# Altium PCB ICM20602+AK8975.PcbDoc
Units mm, origin at the board's own origin, x right, y up, seen from the top; angles counter-clockwise.
Board outline 18 x 19 mm, 2 copper layers (Top Layer, Bottom Layer), stack 0.971 mm thick; 26 components, 17 nets, 90 pads, 41 vias.
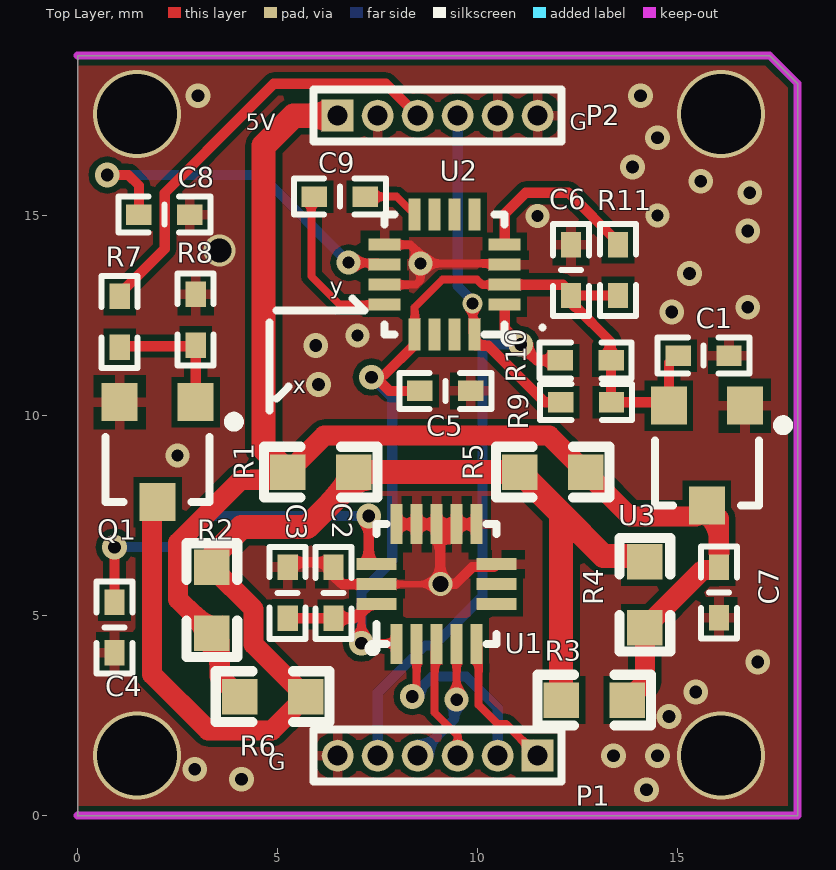
[diagram p0: Top Layer view]
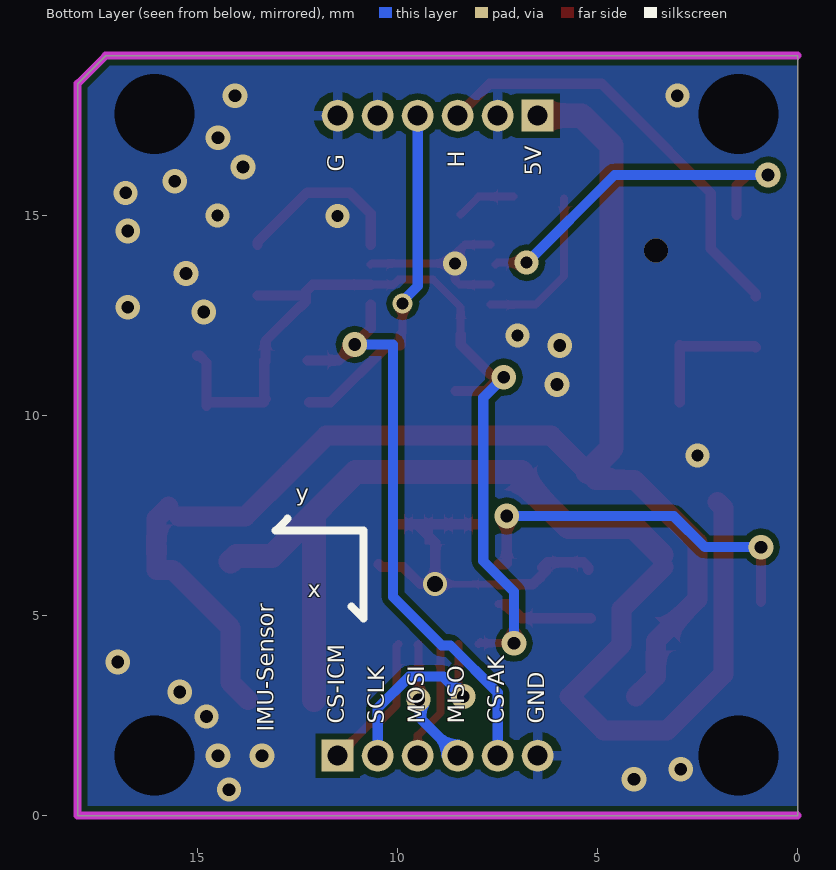
[diagram p1: Bottom Layer view, seen from below]
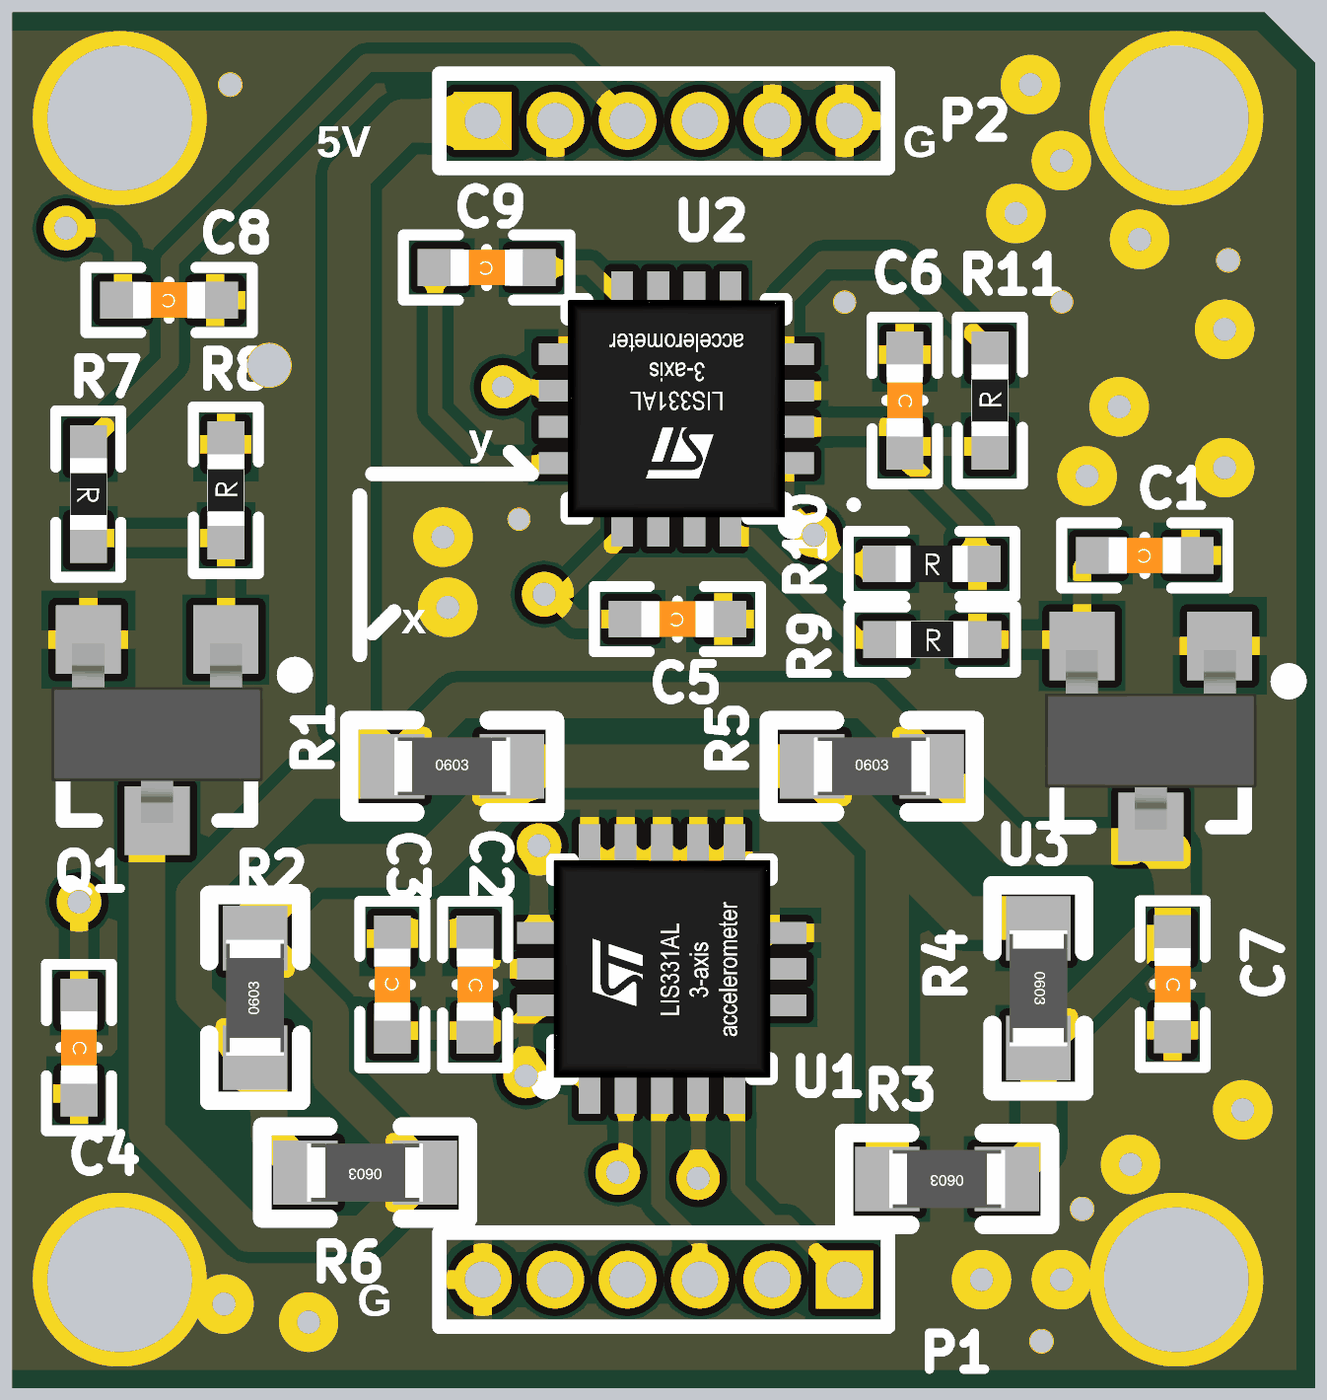
[diagram p2: 3D render of the assembled board from above, using the file's embedded part models]

## Layer stack, top to bottom
Top Solder: solder mask 0.0102, Solder Resist, Dk 3.5
Top Layer: signal copper 0.0356
Dielectric 1: dielectric 0.9, FR-4, Dk 4.8
Bottom Layer: signal copper 0.0356
Bottom Solder: solder mask 0.0102, Solder Resist, Dk 3.5

## Board outline
0,0 18,0 18,18.3 17.3,19 0,19

## Design rules (kind name [scope] priority, off if disabled: settings)
Clearance [All] p1: gap=0.15 ignorepadtopadclearanceinfootprint=FALSE
MinimumSolderMaskSliver [All] p1: minsoldermaskwidth=0.05
PolygonConnect PolygonConnect_1 [IsVia vs InNet('GND')] p1: connectstyle=Direct reliefconductorwidth=0.254 reliefentries=4 polygonreliefangle="90 Angle" airgapwidth=0.254
PolygonConnect [All] p2: connectstyle=Relief reliefconductorwidth=0.254 reliefentries=4 polygonreliefangle="90 Angle" airgapwidth=0.2
RoomDefinition Sensor [InComponentClass('Sensor')] p1: confinementstyle=ConfineIn formatcopy=TRUE lockcomponents=FALSE outline -3.5,-2 91.5,-2 91.5,25.5 -3.5,25.5
RoutingVias [All] p1: holewidth=0.3 width=0.6 viastyle="Through Hole" minholewidth=0.3 minwidth=0.6 maxholewidth=2 maxwidth=3
SilkToSilkClearance [All] p1: silktosilkclearance=0.05
SilkToSolderMaskClearance [IsPad] p1: minsilkscreentomaskgap=0.05 clearancetoexposedcopper=TRUE
SolderMaskExpansion [All] p1: expansion=0.102 istentingtop=FALSE
Width [All] p1: maxlimit=2 minlimit=0.15 preferedwidth=0.254 minimp=50.000000 maximp=50.000000 favimp=50.000000
27 further rules are at their usual default settings.

## Classes and differential pairs
component class Sensor: C1 C2 C3 C4 C6 C7 C9 P1 P2 Q1 R1 R2 R3 R4 R5 R6 R7 R8 R9 R10 R11 U1 U2 U3

## Components (designator, comment, footprint, x,y, rotation, side; value= is the part's Value field where it differs from the comment)
C1 "100nF" 0402C 15.648,11.5 r180 top value=100pF
C2 "100nF" 0402C 6.393,5.573 r270 top value=100pF
C3 "2.2uF" 0402C 5.25,5.573 r90 top value=100pF
C4 "100nF" 0402C 0.92,4.706 r270 top value=100pF
C5 "100nF" 0402C 9.19,10.62 r180 top value=100pF
C6 "100nF" 0402C 12.331,13.64 r270 top value=100pF
C7 "2.2uF" 0402C 16.031,5.58 r270 top value=100pF
C8 "4.7uF" 0402C 2.165,15.025 r180 top value=100pF
C9 "220nF" 0402C 6.553,15.475 r180 top value=100pF
P1 "Header 6" "HEADER 6x1 _ 1.0mm" 11.5,1.5 r180 top
P2 "Header 6" "HEADER 6x1 _ 1.0mm" 6.5,17.5 r0 top
Q1 "NMOS" SOT-23-3 2,9.088 r180 top
R1 "150R" 0603R 6.075,8.588 r0 top value=1K
R2 "150R" 0603R 3.354,5.39 r90 top value=1K
R3 "150R" 0603R 12.914,2.889 r180 top value=1K
R4 "150R" 0603R 14.177,5.524 r270 top value=1K
R5 "150R" 0603R 11.875,8.588 r0 top value=1K
R6 "150R" 0603R 4.874,2.979 r180 top value=1K
R7 "1k" 0402R 1.05,12.347 r270 top value=1K
R8 "100k" 0402R 2.95,12.4 r90 top value=1K
R9 "4.7k" 0402R 12.71,10.338 r0 top value=1K
R10 "4.7k" 0402R 12.701,11.383 r0 top value=1K
R11 "1k" 0402R 13.508,13.64 r90 top value=1K
U1 "ICM20602" LGA-16 8.975,5.788 r90 top
U2 "IST8310" LGA16 9.175,13.525 r180 top
U3 "LDO_SOT23-3" SOT-23-3 15.731,9 r180 top

## Footprints (in the part's own frame and the unit in brackets; to place one, negate y for a bottom-side part, rotate by r counter-clockwise, add the part's x,y. Pads: shape width x height; smd on the part's side, far side on the other; paste and mask are expansions set on the pad)
0402C [mil]
  rect 25x20 smd: 1(-25,0) 2(25,0)
  silkscreen extent -45,-18 45,18, body extent -20,-10 20,10, height 19
0402R [mil]
  rect 25x20 smd: 1(-25,0) 2(25,0)
  silkscreen extent -45,-18 45,18, body extent -19,-10 20,10, height 14
0603R [mil] "10mil丝印"
  rect 35x35 smd: 1(-32.5,0) 2(32.5,0)
  silkscreen extent -56,-25 56,25, body extent -31,-16 32,16, height 16
"HEADER 6x1 _ 1.0mm" [mm] "1.0mm 排母"
  rect 0.8x0.8 hole 0.5: 1(0,0)
  round 0.8 hole 0.5: 2(1,0) 3(2,0) 4(3,0) 5(4,0) 6(5,0)
  silkscreen extent -0.6,-0.65 5.6,0.65
LGA16 [mm] "IST8310"
  rect 0.8x0.3 smd: 1(-1.5,0.75) 2(-1.5,0.25) 3(-1.5,-0.25) 4(-1.5,-0.75) 9(1.5,-0.75) 10(1.5,-0.25) 11(1.5,0.25) 12(1.5,0.75)
  rect 0.3x0.8 smd: 5(-0.75,-1.5) 6(-0.25,-1.5) 7(0.25,-1.5) 8(0.75,-1.5) 13(0.75,1.5) 14(0.25,1.5) 15(-0.25,1.5) 16(-0.75,1.5)
  silkscreen extent -1.7,-1.5 1.5,1.7, body extent -1.5,-1.5 1.5,1.5, height 1.01
LGA-16 [mm]
  rect 1x0.3 smd: 1(-1.5,1) 2(-1.5,0.5) 3(-1.5,0) 4(-1.5,-0.5) 5(-1.5,-1) 9(1.5,-1) 10(1.5,-0.5) 11(1.5,0) 12(1.5,0.5) 13(1.5,1)
  rect 0.3x1 smd: 6(-0.5,-1.5) 7(0,-1.5) 8(0.5,-1.5) 14(0.5,1.5) 15(0,1.5) 16(-0.5,1.5)
  silkscreen extent -1.7,-1.5 1.5,1.7, body extent -1.5,-1.5 1.5,1.5, height 1.01
SOT-23-3 [mm]
  rect 0.9x0.95 smd: 1(-0.95,-1.25) 2(0.95,-1.25) 3(0,1.25)
  silkscreen extent -2.03,-0.89 1.3,1.25, body extent -1.46,-1.19 1.46,1.28, height 1

## Part data
C1 C2 C3 C4 C5 C6 C7 C8 C9: library part Cap, "Capacitor", LatestRevisionDate=17-Jul-2002, LatestRevisionNote="Re-released for DXP Platform.", PackageDescription="Radial Cap, Thru-Hole; 2 Leads; 0.3 in Pin Spacing", PackageReference=RAD-0.3, Published=8-Jun-2000, Publisher="Altium Limited"
P1 P2: "Header, 5-Pin", LatestRevisionDate=17-Jul-2002, LatestRevisionNote="Re-released for DXP Platform.", Publisher="Altium Limited"
Q1: library part NMOS(SOT23), "N-Channel Power MOSFET", ComponentLink1Description="Manufacturer Link", ComponentLink1URL=http://www.irf.com/, DatasheetVersion=PD-9.814, LatestRevisionDate=17-Jul-2002, LatestRevisionNote="Re-released for DXP Platform.", Note="Pin 2 is electrically connected to pin 4.", PackageDescription="TO, Thru-Hole, Vertical, Heatsink Mounted; 3 In-Line Leads; Pitch 2.54 mm", PackageReference=TO-220AB, PackageVersion=Feb-1997, Published=8-Jun-2000, Publisher="Altium Limited"
R1 R2 R3 R4 R5 R6 R7 R8 R9 R10 R11: library part Res1, "Resistor", LatestRevisionDate=17-Jul-2002, LatestRevisionNote="Re-released for DXP Platform.", PackageDescription="Axial Device, Thru-Hole; 2 Leads; 0.3 in Pin Spacing", PackageReference=AXIAL-0.3, Published=8-Jun-2000, Publisher="Altium Limited"

## Via types
v1: diameter 0.62, hole 0.32, Top Layer to Bottom Layer, 23 vias
v2: diameter 0.62/0.6 (per signal layer), hole 0.32, Top Layer to Bottom Layer, tented both sides, 4 vias
v3: diameter 2.2/0.6 (per signal layer), hole 2, Top Layer to Bottom Layer, 4 vias
v4: diameter 0.6, hole 0.3, Top Layer to Bottom Layer, tented both sides, 4 vias
v5: diameter 0.6, hole 0.3, Top Layer to Bottom Layer, 2 vias
v6: diameter 0.8/0.6 (per signal layer), hole 0.6, Top Layer to Bottom Layer, tented both sides, 1 vias
v7: diameter 0.6, hole 0.4, Top Layer to Bottom Layer, 1 vias
v8: diameter 0.6, hole 0.32, Top Layer to Bottom Layer, 1 vias
v9: diameter 0.5, hole 0.3, Top Layer to Bottom Layer, 1 vias

## Nets (pads, with @x,y where several pads share a name; then routed paths per layer and width w, separated by ;. In a path a pad name is that pad's centre, name@x,y a point inside that pad or via, vN(x,y) a via of type N, cw(c..) or ccw(c..) an arc to the next point about the centre after c; other vN are vias at no path point)
3V3: C1.2 C2.2 C3.1 C5.2 C6.2 R9.2 R10.2 R11.1 U1.1 U1.16 U2.2 U2.13 U3.2 | length 26.5
  Top Layer w0.2: U1.16 7.348,5.288 7.094,5.034 v1(7.094,4.313) 7.9,4.313 7.925,4.338 U1.1 ; U2.13 8.425,12.711 9.114,13.4 9.982,13.4 10.104,13.278 10.672,13.278 U2.2
  Top Layer w0.254: C3.1@5.175,4.938 6.901,4.938 7.102,5.14 7.102,5.265 7.125,5.288 U1.16@7.348,5.288 ; v1(7.348,10.963) 7.447,10.963 7.79,10.62 C5.2 ; 7.683,11.033 8.425,11.775 U2.13 ; U2.2 12.124,13.275 12.3,13.099 12.3,12.851 12.427,12.724 12.453,12.724 13.308,11.87 R10.2@13.308,11.357 ; C6.2 R11.1 ; R9.2@13.289,10.419 13.336,10.465 R10.2 ; R9.2 14.693,10.338 U3.2 14.781,11.332 14.949,11.5 C1.2
  Bottom Layer w0.254: v1(7.094,4.313) 7.094,5.599 7.862,6.368 7.862,10.449 v1(7.348,10.963)
5V: C7.1 P2.1 R1.1 R2.1 R3.1 R4.2 R5.2 R6.2 U3.3 | length 36.1
  Top Layer w0.5: R6.2 4.049,2.987 3.922,3.114 3.914,3.114 3.548,3.479 3.548,4.37 3.225,4.694 2.509,5.409 2.509,6.825 4.078,8.394 5.055,8.394 R1.1 6.161,9.5 11.789,9.5 R5.2 13.808,7.481 U3.3@15.462,7.481 ; R3.1 14.177,3.327 R4.2 15.626,6.148 16.027,6.148 16.031,6.152 C7.1 16.031,7.425 U3.3@15.731,7.725
  Top Layer w0.6: R1.1 4.65,9.188 4.65,16.75 5.4,17.5 P2.1
GND: C1.1 C2.1 C3.2 C4.2 C5.1 C6.1 C7.2 C8.1 P1.6 P2.2 P2.5 P2.6 Q1.2 R8.2 U1.8 U1.9 U1.10 U1.11 U1.12 U1.13 U1.15 U2.3 U2.9 U2.11 U3.1 | length 14.3
  Top Layer w0.16: U1.15 9.053,5.788 v7(9.063,5.799)
  Top Layer w0.2: U2.11 8.451,13.275 8.568,13.392 v5(8.568,13.806) ; U2.9 8.322,14.275 8.568,14.029 v5(8.568,13.806) ; U2.3 10.644,13.806 v5(8.568,13.806)
  Top Layer w0.254: C3.2@5.237,6.146 5.237,6.208 5.364,6.335 6.266,6.335 C2.1 ; C2.1@6.264,6.146 6.622,5.788 U1.15 ; U1.13 U1.12 U1.11 U1.10 ; U1.9 U1.10 ; U1.8 10.402,6.215 9.86,6.215 9.444,5.799 v7(9.063,5.799) 9.063,6.827 9.5,7.263 U1.10
  other v1: 4.093,0.914 2.924,1.163 13.391,1.5 14.495,1.5 15.45,3.09 17,3.844 6.016,10.783 5.95,11.752 14.85,12.595 16.75,12.711 15.294,13.552 16.75,14.621 15.575,15.863 13.867,16.221 14.495,16.95 14.066,18
  other v2: 14.22,0.65 14.781,2.477 16.8,15.574 3.01,18
  other v3: 1.483,1.5 16.083,1.5 1.483,17.538 16.083,17.538
  other v4: 2.5,9 7,12 11.5,14.997 14.5,15
  other v6: 3.548,14.125
NetC4_1: C4.1 U1.14 | length 9.4
  Top Layer w0.254: C4.1 v1(0.92,6.714) ; v1(7.275,7.491) 7.275,6.311 7.298,6.288 U1.14
  Bottom Layer w0.254: v1(0.92,6.714) 2.318,6.714 3.096,7.491 v1(7.275,7.491)
NetC8_2: C8.2 U2.10 | length 9.4
  Top Layer w0.2: v5(6.775,13.826) 7.5,13.826 U2.10@7.55,13.775
  Top Layer w0.254: v1(0.74,16.02) 1.265,16.02 1.53,15.755 C8.2
  Bottom Layer w0.254: v1(0.74,16.02) 4.581,16.02 v5(6.775,13.826)
NetC9_1: C9.1 U2.8 | length 1.5
  Top Layer w0.2: C9.1@7.11,15.475 7.975,15.475 U2.8
NetC9_2: C9.2 U2.12 | length 4.1
  Top Layer w0.2: C9.2@5.84,15.425 5.84,13.489 6.553,12.776 U2.12@7.675,12.776
NetQ1_1: Q1.1 R7.2 R8.1 | length 3.3
  Top Layer w0.254: R7.2 1.076,11.739 2.924,11.739 R8.1 Q1.1
NetQ1_3: Q1.3 R1.2 R2.2 R3.2 R4.1 R5.1 R6.1 | length 30.7
  Top Layer w0.5: Q1.3 1.86,7.697 1.86,3.537 3.262,2.134 4.855,2.134 R6.1 4.4,4.279 4.4,5.169 R2.2
  Top Layer w0.6: R2.2@3.404,6.524 4.093,7.213 5.732,7.213 6.901,8.381 R1.2 R5.1 11.627,8.011 12.088,7.55 ; R3.2 12.088,7.55 ; R4.1 14.032,6.494 13.144,6.494 12.088,7.55
NetR11_2: R11.2 U2.4 | length 4.4
  Top Layer w0.254: U2.4 10.675,15.051 11.199,15.574 12.272,15.574 13.508,14.339 R11.2
PA1/HEATER: P2.3 R7.1 | length 10.8
  Top Layer w0.254: R7.1 1.05,13.046 2.175,14.171 2.175,15.57 3.21,16.604 3.21,16.61 4.9,18.3 7.7,18.3 P2.3
PA2/SDA: P2.4 R9.1 U2.16 | length 8.8
  Top Layer w0.2: v9(9.875,12.8) 9.875,12.075 U2.16
  Top Layer w0.254: U2.16 9.925,11.775 9.948,11.752 10.266,11.752 11.68,10.338 R9.1@12.215,10.338
  Bottom Layer w0.254: P2.4 9.5,13.242 9.875,12.867 v9(9.875,12.8)
PA3/CS_ICM: P1.1 U1.5 | length 3.5
  Top Layer w0.2: U1.5 10.025,4.238 10.025,2.77 10.502,2.294 10.706,2.294 P1.1
PA4/SCL: P1.5 R10.1 U2.1 | length 15
  Top Layer w0.254: U2.1 10.675,12.184 v1(11.075,11.784) 11.476,11.383 R10.1 R10.1@12.257,11.383
  Bottom Layer w0.254: P1.5 7.5,3.074 8.681,4.255 8.9,4.255 10.116,5.471 10.116,11.784 v1(11.075,11.784)
PA5/SCLK: P1.2 U1.2 | length 5.2
  Top Layer w0.2: v1(8.364,2.979) 8.475,3.09 U1.2
  Bottom Layer w0.254: v1(8.364,2.979) 8.862,3.477 9.714,3.477 10.5,2.691 P1.2
PA6/MISO: P1.4 U1.4 | length 3.2
  Top Layer w0.2: v8(9.475,2.9) 9.475,4.238 9.5,4.263 U1.4
  Bottom Layer w0.254: P1.4 9.409,2.409 9.409,2.834 v8(9.475,2.9)
PA7/MOSI: P1.3 U1.3 | length 3
  Top Layer w0.2: U1.3 8.925,4.238 8.925,2.575 9.5,2 P1.3
pads on no net: U1.6 U1.7 U2.5 U2.6 U2.7 U2.14 U2.15

## Polygon pours and split planes (outlines as drawn)
GND on Top Layer "GND_L01_P014" (solid, remove dead copper, pour order 14): 18,19.3 0,19.3 0,11.848 0,0 18,0
GND on Bottom Layer "NONET_L-01_P-001" (solid, remove dead copper, pour order 15): 0,19.3 17.8,19.3 17.8,-0.1 0.2,-0.1 0,0.1

## Keep-outs
Keep-Out Layer:
  lines w0.2: 0,0 18,0 18,18.3 17.3,19 0,19

## Silkscreen, mask and mechanical layers (free items; w line width, h text height)
Top Overlay:
  lines w0.2: 4.8,10.125 4.8,12.325 ; 4.975,10.425 5.275,10.725 ; 4.975,12.625 7.175,12.625 6.875,12.925 ; 11.625,12.2 11.625,12.2
  text "5V" at 4.2,17 h0.7
  text "G" at 12.3,17 h0.7
  text "y" at 6.3,12.9 h0.7
  text "x" at 5.375,10.425 h0.7
  text "G" at 4.765,1 h0.7
Bottom Overlay:
  lines w0.2: 11.15,5.225 10.85,4.925 ; 12.75,7.425 13.05,7.125 10.85,7.125 10.85,4.925 ; 10.85,4.925 10.85,4.925
  text "H" at 8.2,16.2 h0.7 r270
  text "G" at 11.2,16.1 h0.7 r270
  text "5V" at 6.275,16 h0.7 r270
  text "y" at 12.55,7.725 h0.7
  text "x" at 12.25,5.325 h0.7
  text "GND" at 6.2,2.3 h0.7 r270
  text "CS-AK" at 7.2,2.3 h0.7 r270
  text "MISO" at 8.2,2.3 h0.7 r270
  text "MOSI" at 9.2,2.3 h0.7 r270
  text "SCLK" at 10.2,2.3 h0.7 r270
  text "CS-ICM" at 11.2,2.3 h0.7 r270
  text "IMU-Sensor" at 12.962,2.1 h0.7 r270
Mechanical 1:
  lines w0.2: 0,0 0,19 4.625,19 12.875,19 17.3,19 18,18.3 18,17 18,0 0,0